# Altium PCB ECU rev B pcb.PcbDoc (part 5 of 6) (continued)
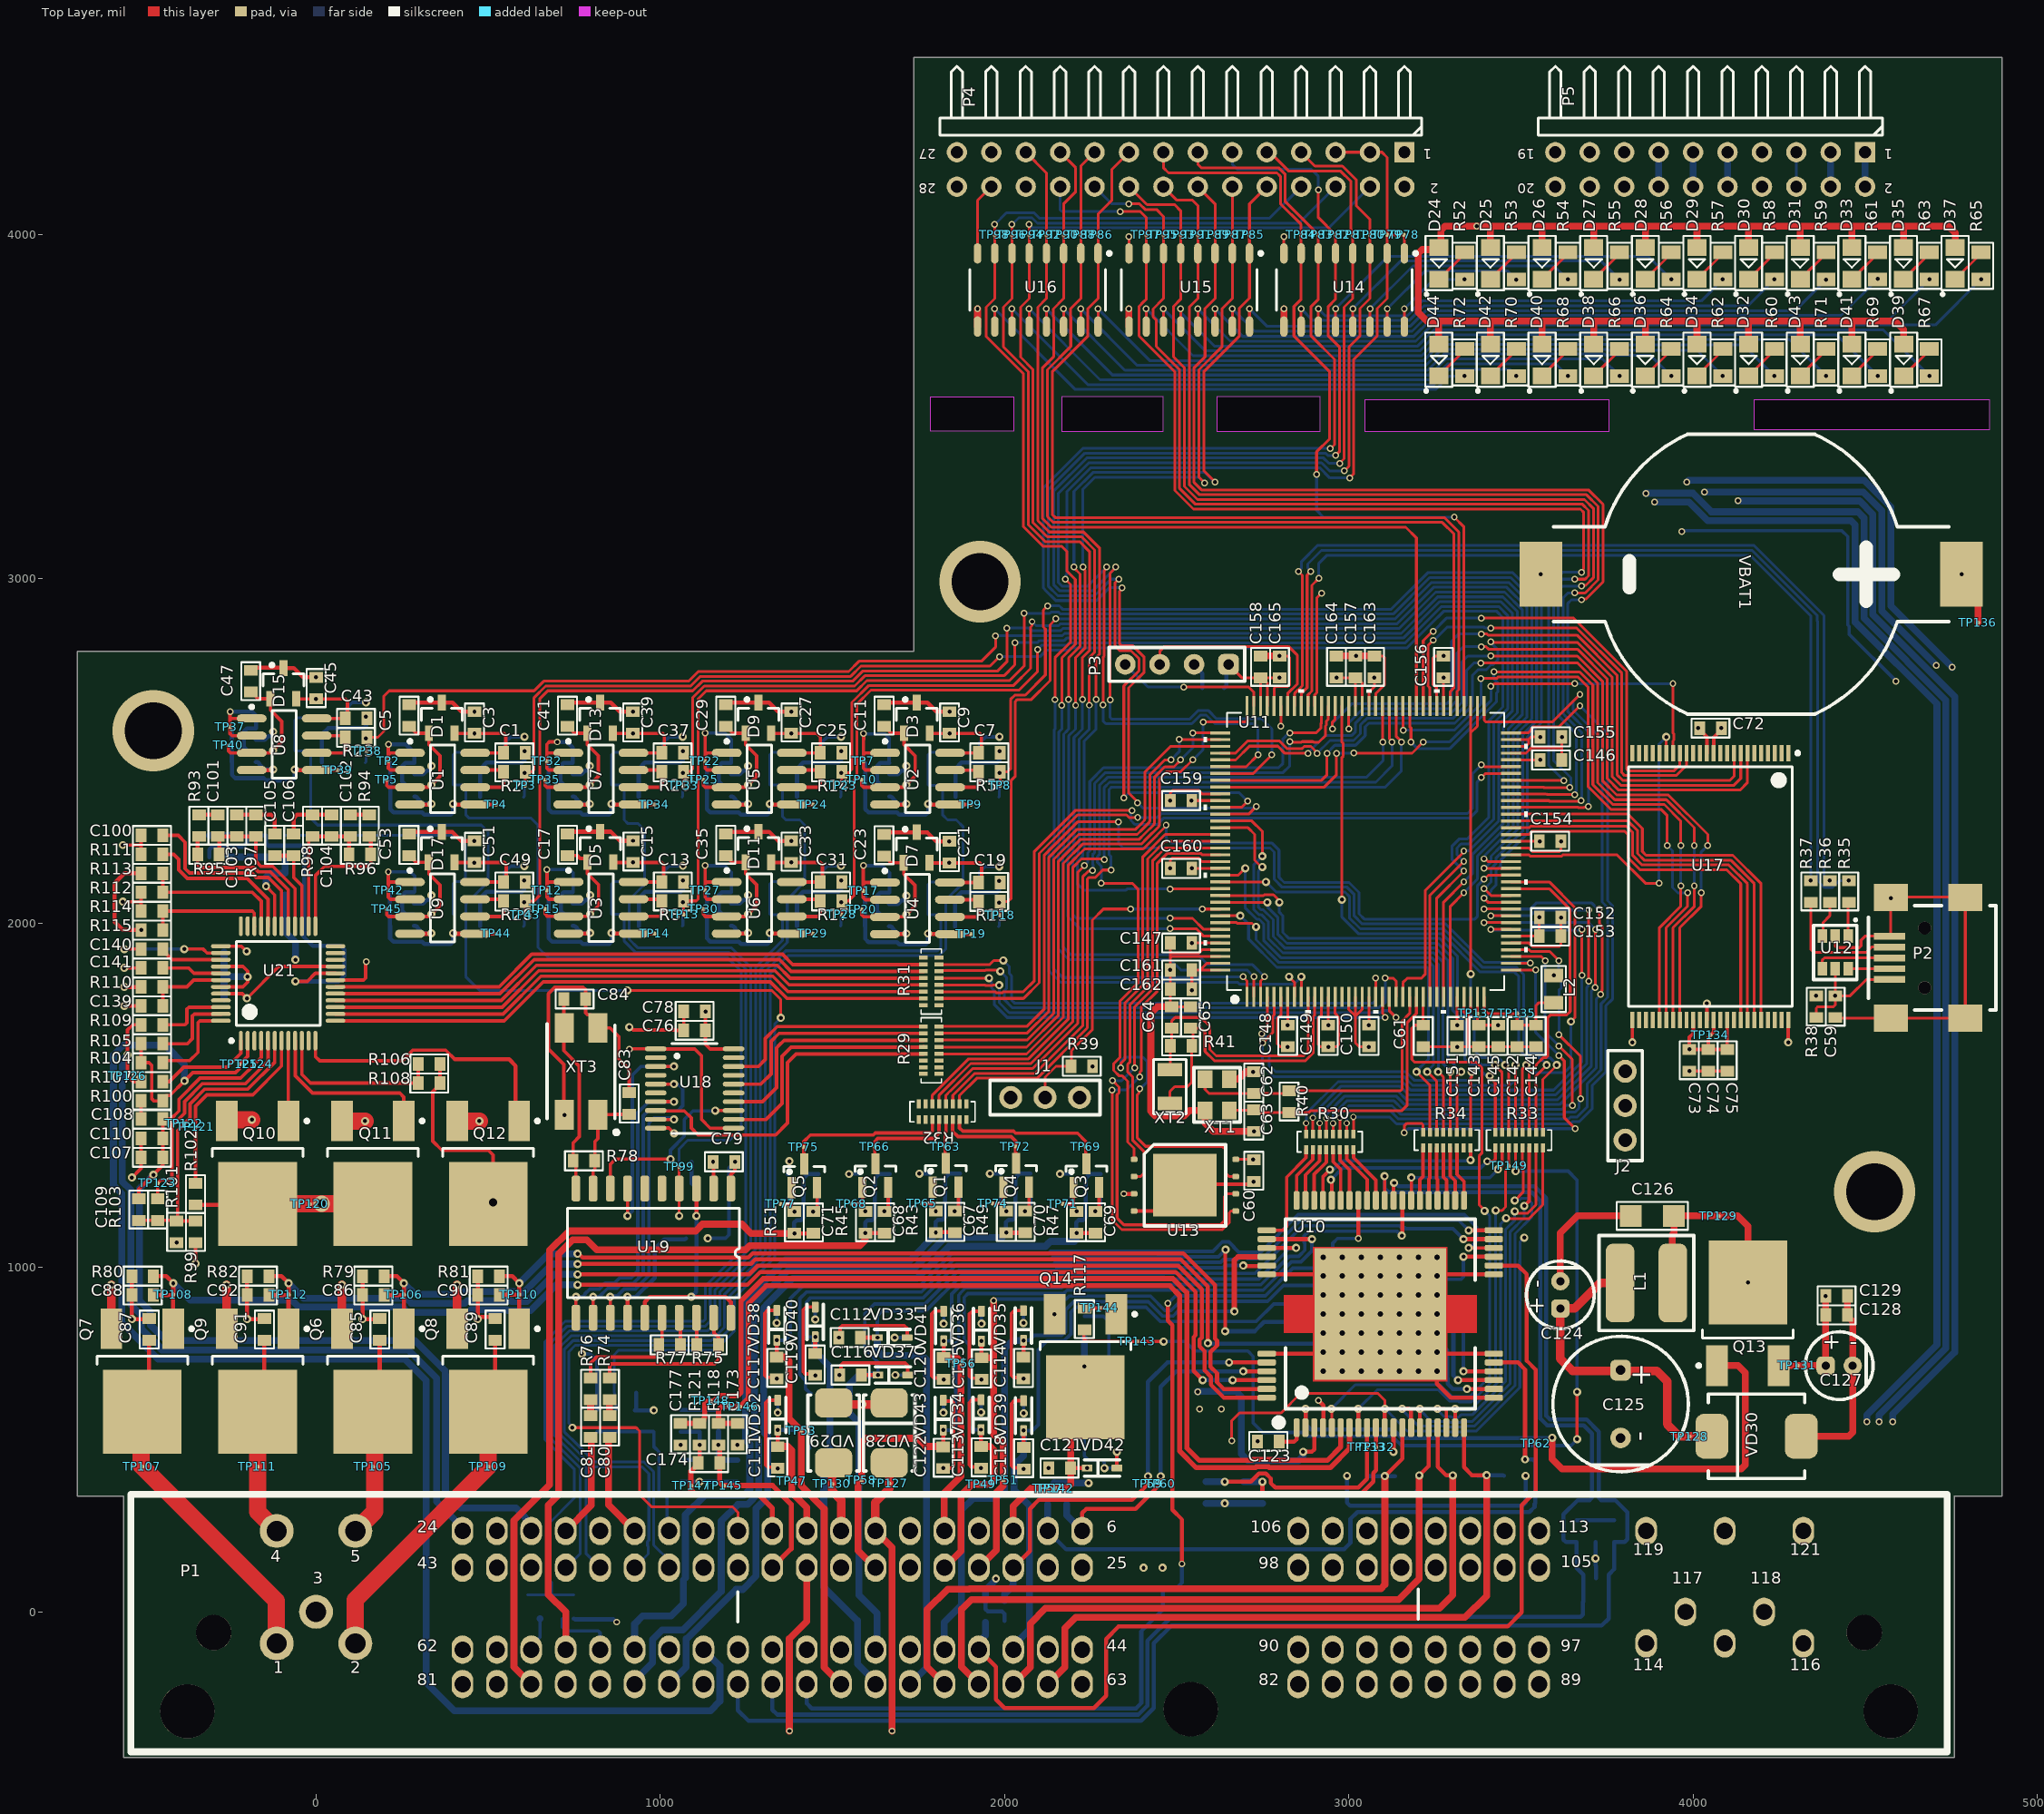
[diagram p0: Top Layer view]
## Nets (pads, with @x,y where several pads share a name; then routed paths per layer and width w, separated by ;. In a path a pad name is that pad's centre, name@x,y a point inside that pad or via, vN(x,y) a via of type N, cw(c..) or ccw(c..) an arc to the next point about the centre after c; other vN are vias at no path point) (continued)
  Bottom Layer w8: v4(2954.84,1418.62) 2954.84,1444.36 2994.49,1484 3131.94,1484 3156.57,1459.37 3619.72,1459.37 3631.03,1470.68 v2@3649.98,1470.68 ; v2(3570.87,1891.56) 3570.87,1683.4 v2(3610.49,1643.78)
PA3: R30.3 U11.40 | length 1393.7
  Top Layer w8: R30.3@2974.53,1387.64 v4(2974.53,1434.8) ; U11.40@3471.17,1923.06 3523.85,1923.06 3529,1917.9 3583.9,1917.9 v2(3610.24,1891.56) ; v2@3610.74,1676.34 3673.23,1613.85 v2(3673.23,1489.99)
  Bottom Layer w8: v4(2974.53,1434.8) 2976.39,1436.66 2976.39,1446.1 3000.29,1470 3126.14,1470 3150.77,1445.37 3625.52,1445.37 3631.36,1451.21 3657.83,1451.21 3669.45,1462.84 3669.45,1479.46 3670.99,1481 3670.99,1487.75 v2(3673.23,1489.99) ; v2(3610.24,1891.56) 3610.24,1864.54 3618.11,1856.67 3618.11,1812.82 3610.74,1805.45 v2@3610.74,1676.84
  other v2: 3610.49,1676.59
PA4: R30.8 U11.43 | length 1650.8
  Top Layer w8: R30.8@2876.1,1387.64 v4(2876.1,1419.13) ; v2(3413.39,1982.11) U11.43@3471.17,1982.11 U11.43@3471.17,1982.11 ; v2(3677.17,1848.25) v2(3677.17,1982.11)
  Bottom Layer w8: v4(2876.1,1419.13) 2876.93,1419.96 2876.93,1447.52 2969.41,1540 3155.13,1540 3179.76,1515.37 3595.45,1515.37 3677.17,1597.08 v2(3677.17,1848.25) ; v2(3413.39,1982.11) 3414.99,1980.51 3675.56,1980.51 v2(3677.17,1982.11)
PA5: R30.6 U11.44 | length 1752.2
  Top Layer w8: R30.6@2915.47,1387.64 v4(2915.47,1419.13) ; v2(3393.7,2001.8) 3393.86,2001.95 3471.02,2001.95 U11.44@3471.17,2001.8 ; v2@3713.97,1811.98 v2(3715.42,1813.43) 3716.85,1814.86 v2(3716.85,1982.11) v2@3716.54,1982.11
  Bottom Layer w8: v4(2915.47,1419.13) 2915.47,1444.58 2982.89,1512 3143.53,1512 3168.16,1487.37 3607.05,1487.37 3705.17,1585.48 3705.17,1803.18 v2(3715.42,1813.43) 3713.26,1815.59 v2@3713.26,1820.03 ; v2@3393.54,2001.64 3393.86,2001.95 3535.55,2001.95 3543,1994.51 3625.88,1994.51 3633.33,2001.95 3697.01,2001.95 3704.63,1994.33 v2(3716.85,1982.11)
PA6: R30.7 U11.45 | length 1733.7
  Top Layer w8: R30.7@2895.79,1387.64 v4(2895.79,1434.88) ; v2@3413.39,2021.48 v2(3413.39,2021.8) 3413.54,2021.64 3471.02,2021.64 U11.45@3471.17,2021.48 ; v2(3697.01,1831.85) 3697.01,2037.39 v2(3698.17,2038.55)
  Bottom Layer w8: v4(2895.79,1434.88) 2895.79,1437.51 2901.47,1443.2 2901.47,1450.38 2977.09,1526 3149.33,1526 3173.96,1501.37 3601.25,1501.37 3691.17,1591.28 3691.17,1813.06 3696.11,1818 3696.11,1830.95 v2(3697.01,1831.85) ; v2(3413.39,2021.8) 3527.87,2021.8 3544.63,2038.55 v2(3698.17,2038.55)
PA7: R30.5 U11.46 | length 1816.5
  Top Layer w8: R30.5@2934.93,1387.86 2934.93,1433.41 v4(2935.16,1433.64) ; v2(3393.7,2041.17) 3394.17,2041.64 3470.7,2041.64 U11.46@3471.17,2041.17 ; v2(3728.35,2041.17) 3728.35,1998.68 3736.69,1990.33 3736.69,1806.64 3734.52,1804.47 3734.52,1795.37 v2(3732.28,1793.14)
  Bottom Layer w8: v4(2935.16,1433.64) 2937.02,1435.49 2937.02,1446.33 2988.69,1498 3137.73,1498 3162.36,1473.37 3612.85,1473.37 3719.17,1579.69 3719.17,1780.02 v2(3732.28,1793.14) ; v2(3393.7,2041.17) 3394.17,2041.64 3421.6,2041.64 3422.08,2041.17 3527.45,2041.17 3544.67,2058.39 3706.39,2058.39 3721.38,2043.4 3726.11,2043.4 v2(3728.35,2041.17)
PA8: R32.4 U11.97 | length 2053.1
  Top Layer w8: R32.4@1830,1475.28 1830,1500.4 1841.6,1512 1841.91,1512 1907.91,1578 2081.59,1578 2213,1709.41 2213,2148.1 v2(2232,2167.1) ; v2(2828.99,2552.98) 2905.54,2552.98 2918.91,2566.35 2918.91,2578.81 2921.22,2581.11 U11.97@2921.22,2630.49
  Bottom Layer w8: v2(2232,2167.1) 2242.16,2177.26 2242.16,2204.82 2248,2210.66 2248,2411.67 2287.83,2451.5 2796.16,2451.5 2809.15,2464.49 2809.15,2535.51 2826.62,2552.98 v2(2828.99,2552.98)
PA15: R29.4 U11.108 | length 1727.3
  Top Layer w8: R29.4@1810,1621.26 1810,1620 2064.2,1620 2171,1726.8 2171,2173.76 2227.24,2230 2397.46,2230 2412.62,2245.16 2448.84,2281.38 2448.84,2283.64 2450.16,2284.96 2450.16,2419.16 2471.39,2440.39 2512.39,2440.39 2546.24,2474.24 v2(2547.24,2474.24) ; v2(2577.56,2584.47) 2700.04,2584.47 2704.72,2589.16 U11.108@2704.72,2630.45
  Bottom Layer w8: v2(2547.24,2474.24) 2577,2503.99 2577,2583.91 v2(2577.56,2584.47)
PB0: R33.3 U11.49 | length 926
  Top Layer w8: U11.49@3471.17,2100.22 3582.67,2100.22 3643.32,2039.57 3643.32,1834.24 3643.48,1834.08 3643.48,1743.7 3633.86,1734.08 3586.61,1734.08 3578.74,1726.21 3578.74,1614.91 3574.05,1610.22 3565.96,1610.22 3545.37,1589.63 3545.37,1587.19 3524.53,1566.34 R33.3@3524.53,1392.64
PB1: R33.4 U11.50 | length 1029.7
  Top Layer w8: U11.50@3471.17,2119.91 3582.79,2119.91 3657.32,2045.37 3657.32,1840.03 3657.48,1839.88 3657.48,1726.21 v1(3645.67,1714.39) ; R33.4@3504.84,1392.64 3504.84,1576.96 3515.75,1587.86 v1(3515.75,1588.41)
  Bottom Layer w8: v1(3515.75,1588.41) 3515.75,1587.19 3536.34,1566.6 3626.88,1566.6 3645.67,1585.38 v1(3645.67,1714.39)
PB2: R32.6 U11.51 | length 2617
  Top Layer w8: R32.6@1790.63,1475.28 1790.63,1500.63 1895,1605 1895.31,1605 1896.31,1606 2069.99,1606 2185,1721.01 2185,2167.96 2233.04,2216 2403.26,2216 2418.41,2231.16 2470,2282.74 v2(2470,2285) ; v2(3393.7,2127.78) 3405.51,2139.59 U11.51@3471.17,2139.59
  Bottom Layer w8: v2(2470,2285) 2470,2247 2484.67,2232.33 2777.45,2232.33 2797.46,2212.32 2797.46,2133.58 2812.51,2118.54 3000.95,2118.54 3030.13,2089.36 3030.13,2027.13 3045.38,2011.88 3366.46,2011.88 3373.61,2019.03 3373.61,2108.19 3393.2,2127.78 v2(3393.7,2127.78)
PB3: R34.5 U11.130 | length 1347.5
  Top Layer w8: U11.130@2627.17,2139.59 2679.24,2139.59 2698.94,2159.29 v1(2699.9,2159.29) ; v1(3259.84,1568.73) 3275.16,1553.41 R34.5@3275.16,1392.64
  Bottom Layer w8: v1(2699.9,2159.29) 2699.01,2158.4 2699.01,2045.51 2733.25,2011.27 2740.01,2011.27 2752.78,1998.5 2752.78,1950.03 2802.94,1899.88 3168.39,1899.88 3241.21,1899.88 3260.18,1880.9 3260.18,1808.09 3260.18,1569.06 v1(3259.84,1568.73)
PB4: R33.1 U11.131 | length 1579.5
  Top Layer w8: U11.131@2627.17,2119.91 v1(2759.84,2119.91) ; R33.1@3563.9,1392.64 3563.9,1546.47 3604.61,1587.19 v1(3604.61,1588.41) v1@3598.43,1588.41
  Bottom Layer w8: v1(2759.84,2119.91) 2789.21,2090.54 2989.35,2090.54 3002.13,2077.76 3002.13,2015.53 3033.78,1983.88 3276,1983.88 3387.63,1872.25 3487.27,1872.25 3508.25,1851.28 3508.25,1639.33 3523.36,1624.22 3560.2,1624.22 3574.2,1610.22 3584.03,1610.22 3605.84,1588.41 v1(3604.61,1588.41)
PB5: P4.23 TP92.0 U11.132 U16.4 | length 2743.6
  Top Layer w8: P4.23@2061.83,4239.27 2121.83,4179.27 TP92.0@2121.83,3999.24 U16.4@2121.83,3945.57 2121.83,3814.27 2096.83,3789.27 2096.83,3169.47 2130.03,3136.27 2229.83,3136.27 2275.83,3090.27 2275.83,2781.15 2266.15,2771.47 v2(2266.15,2649.81) ; v2(2481.83,2099.27) 2482.78,2100.22 U11.132@2627.17,2100.22
  Bottom Layer w8: v2(2266.15,2649.81) 2266.15,2563.59 2231.83,2529.27 2231.83,2214.29 2228.16,2210.62 2228.16,2195.6 2212.16,2179.6 2212.16,2113.94 2229.94,2096.16 2353.25,2096.16 2356.36,2099.27 v2(2481.83,2099.27)
PB6: R33.7 U11.133 | length 1402.7
  Top Layer w8: U11.133@2627.17,2080.54 2752.62,2080.54 2754.75,2082.66 2781.34,2082.66 2792.03,2071.97 2792.03,2071.63 2798.24,2065.42 v1@2798.58,2065.42 ; v1@3425.2,1588.41 v1(3425.01,1588.41) 3425.01,1587.19 3445.79,1566.41 R33.7@3445.79,1392.64
  Bottom Layer w8: v1(2798.58,2060.85) 2798.58,2031.9 2808.78,2021.69 2808.78,1973.23 2826.13,1955.88 3191.59,1955.88 3264.41,1955.88 3316.18,1904.1 3316.18,1831.28 3316.18,1753.2 3350.73,1718.65 3350.73,1611.81 3358,1604.54 3371.23,1604.54 3387.35,1588.41 v1(3425.01,1588.41)
PB7: R33.8 U11.134 | length 1350.1
  Top Layer w8: U11.134@2627.17,2060.85 v1(2763.78,2060.85) ; v1(3410.12,1556.91) 3410.12,1552.3 3426.1,1536.32 R33.8@3426.1,1392.64
  Bottom Layer w8: v1(2763.78,2060.85) 2765.63,2059 2765.63,2045.04 2794.78,2015.89 2794.78,1967.43 2820.33,1941.88 3185.79,1941.88 3258.61,1941.88 3302.18,1898.3 3302.18,1825.49 3302.18,1747.4 3336.73,1712.85 3336.73,1606.01 3352.21,1590.54 3365.43,1590.54 3396.06,1559.9 3407.13,1559.9 v1(3410.12,1556.91)
PB8: R34.7 U11.136 | length 1199.3
  Top Layer w8: U11.136@2627.17,2021.48 v1(2685.04,2021.48) ; v1(3196.85,1568.73) 3236.22,1529.36 R34.7@3236.22,1393.07
  Bottom Layer w8: v1(2685.04,2021.48) 2709.16,1997.36 2709.16,1954.05 2791.34,1871.88 3227.49,1871.88 3232.18,1867.19 3232.18,1605.92 3196.85,1570.59 v1(3196.85,1568.73)
PB9: R34.6 U11.137 | length 1194.5
  Top Layer w8: U11.137@2627.17,2001.8 2673.88,2001.8 2676,1999.67 2718.82,1999.67 2729.03,1989.46 v1(2730.97,1989.46) ; v1(3228.35,1568.73) 3255.47,1541.6 R34.6@3255.47,1392.64
  Bottom Layer w8: v1(2730.97,1989.46) 2730.97,1952.04 2797.14,1885.88 3162.6,1885.88 3235.41,1885.88 3246.18,1875.11 3246.18,1802.29 3246.18,1588.75 3228.35,1570.92 v1(3228.35,1568.73)
PB10: R31.3 U11.66 | length 2249.5
  Top Layer w8: R31.3@1810,1801.26 1810.25,1801.01 1973.09,1801.01 1975.89,1798.21 1993.96,1798.21 1996.75,1801.01 2055,1801.01 2087,1833 2087,2208.56 2206.86,2328.42 2368.61,2328.42 v2(2370.02,2327) ; v2(3385.83,2423.06) 3397.64,2434.87 U11.66@3471.17,2434.87
  Bottom Layer w8: v2(2370.02,2327) 2367.16,2324.14 2367.16,2298.78 2378.78,2287.16 2444.1,2287.16 2461.78,2304.84 3350.64,2304.84 3373,2327.2 3373,2410 3385.83,2422.83 v2(3385.83,2423.06)
PB11: R31.2 U11.67 | length 2229.4
  Top Layer w8: R31.2@1810,1781.57 2055.37,1781.57 2101,1827.21 2101,2202.76 2212.66,2314.42 2354.54,2314.42 2361.8,2307.16 2386.84,2307.16 v2(2387,2307) ; v2(3385.83,2460.11) 3388.99,2460.11 3394.55,2454.55 U11.67@3471.17,2454.55
  Bottom Layer w8: v2(2387,2307) 2444.14,2307 2455.98,2318.84 3344.84,2318.84 3359,2333 3359,2433.28 v2(3385.83,2460.11)
PB12: R30.1 U11.72 | length 2238.3
  Top Layer w8: R30.1@3013.9,1387.64 v4(3013.9,1437.14) ; U11.72@3471.17,2552.98 3522.24,2552.98 3529.33,2560.07 3529.33,2563.76 3536.42,2570.85 3611.24,2570.85 v2(3671.83,2631.44)
  Bottom Layer w8: v4(3013.9,1437.14) 3119.4,1437.14 3139.17,1417.37 3644.18,1417.37 3650.02,1423.21 3669.42,1423.21 3707.07,1460.86 3707.07,1527.76 3747.17,1567.86 3747.17,1760.16 3766.13,1779.12 3766.13,2051.25 3751.97,2065.41 3751.97,2551.29 v2(3671.83,2631.44)
PB13: R30.2 U11.73 | length 2410.8
  Top Layer w8: R30.2@2994.21,1387.64 v4(2994.21,1419.13) ; U11.73@3393.66,2630.49 3393.66,2589.54 3398.35,2584.85 3592.41,2584.85 v2(3671.83,2664.27)
  Bottom Layer w8: v4(2994.21,1419.13) 2994.21,1444.13 3006.09,1456 3120.34,1456 3144.97,1431.37 3638.38,1431.37 3644.22,1437.21 3663.62,1437.21 3693.07,1466.66 3693.07,1533.56 3724.41,1564.9 3724.41,1565.13 3733.17,1573.89 3733.17,1765.96 3752.13,1784.92 3752.13,2045.45 3736.22,2061.35 3736.22,2534.87 3651.98,2619.11 3651.98,2644.43 v2(3671.83,2664.27)
PB14: R33.6 U11.74 U11.75 | length 1400.1
  Top Layer w8: v1(3354.33,1852.18) 3354.33,2552.98 ; U11.75@3354.33,2630.45 3354.33,2552.98 ; U11.74@3373.98,2630.49 3373.98,2572.62 3354.33,2552.98 ; v1@3456.69,1588.41 v1(3454.63,1588.41) 3454.63,1587.19 3465.47,1576.34 R33.6@3465.47,1392.64
  Bottom Layer w8: v1(3354.33,1852.18) 3354.33,1734.85 3364.73,1724.44 3364.73,1630.83 3385.34,1610.22 3434.04,1610.22 3454.63,1589.63 v1(3454.63,1588.41)
PC7: R33.2 U11.94 | length 1726.4
  Top Layer w8: v1(2980.31,2068.73) 2980.31,2481.29 2984.41,2485.39 2984.41,2521.83 2980.16,2526.08 2980.16,2630.37 U11.94@2980.28,2630.49 ; R33.2@3544.21,1392.64 3544.21,1556.41 3574.99,1587.19 v1(3574.99,1588.41) v1@3570.87,1588.41
  Bottom Layer w8: v1(2980.31,2068.73) 2980.31,2017.54 3027.98,1969.88 3270.2,1969.88 3381.83,1858.25 3481.48,1858.25 3494.25,1845.48 3494.25,1633.53 3517.56,1610.22 3554.4,1610.22 3574.99,1589.63 v1(3574.99,1588.41)
PC9: R32.3 U11.96 | length 2073
  Top Layer w8: R32.3@1849.69,1475.28 1850,1475.59 1850,1500.29 1913.71,1564 2089,1564 2227,1702 2227,2134.4 2243.36,2150.76 2253.76,2150.76 v2(2256,2153) ; v2(2828.99,2527.29) 2830.85,2525.43 2862.97,2525.43 2864.99,2527.45 2896.02,2527.45 2898.04,2525.43 2912.99,2525.43 2932.91,2545.35 2932.91,2573.01 2935.22,2575.31 2935.22,2586.74 2940.91,2592.42 U11.96@2940.91,2630.49
  Bottom Layer w8: v2(2256,2153) 2257.62,2154.62 2257.62,2169.51 2256.16,2170.98 2256.16,2199.02 2262,2204.86 2262,2405.87 2293.63,2437.5 2809.72,2437.5 2828.99,2456.77 v2(2828.99,2527.29)
PC10: R29.5 U11.109 | length 1563.7
  Top Layer w8: R29.5@1810,1640.94 1810,1640 2064.4,1640 2157,1732.6 2157,2179.56 2221.44,2244 2391.66,2244 2406.82,2259.16 2434.84,2287.18 2434.84,2289.44 2436.16,2290.76 2436.16,2424.96 2465.6,2454.39 2492.47,2454.39 2511.81,2473.74 v2(2511.81,2474.24) ; v2(2547.24,2552.98) U11.109@2627.17,2552.98
  Bottom Layer w8: v2(2511.81,2474.24) 2547.24,2509.67 v2(2547.24,2552.98)
PC11: R29.6 U11.110 | length 1541.7
  Top Layer w8: R29.6@1810,1660.63 2065.23,1660.63 2143,1738.4 2143,2185.36 2215.64,2258 2385.86,2258 2401.02,2273.16 2420.84,2292.98 2420.84,2295.24 2422.16,2296.55 2422.16,2430.76 2465.4,2474 2484.01,2474 v2(2484.25,2474.24) ; v2@2507.87,2533.29 v2(2507.87,2533.45) 2508.19,2533.14 2557.64,2533.14 2557.8,2533.29 U11.110@2627.17,2533.29
  Bottom Layer w8: v2(2484.25,2474.24) 2484.25,2474.74 2507.87,2498.36 v2(2507.87,2533.45)
PC12: R29.7 U11.111 | length 1505.7
  Top Layer w8: R29.7@1810,1680.32 2065.11,1680.32 2129,1744.2 2129,2191.16 2209.84,2272 2380.06,2272 2395.22,2287.16 2406.84,2298.78 2406.84,2301.04 2408.16,2302.35 2408.16,2439.3 2482.47,2513.61 U11.111@2627.17,2513.61
PC13: P4.3 P4.5 TP78.0 TP79.0 U11.9 U14.1 U14.2 | length 4341
  Top Layer w8: v2(2146.72,2649.35) 2146.84,2649.47 2146.84,2770.96 2191.83,2815.94 2191.83,2984.27 v2(2176.83,2999.27) ; U11.9@2862.17,1786.49 v1(2862.2,1844.32) v1(2862.2,1844.32) ; P4.5@2961.83,4239.27 P4.3@3061.83,4239.27 3096.83,4239.27 3111.83,4224.27 TP79.0@3111.83,3999.24 ; v2(3002.55,3293.31) 3014.83,3305.59 3014.83,3637.81 3082.65,3705.64 3082.65,3785.09 3111.83,3814.27 U14.2@3111.83,3945.57 TP79.0@3111.83,3999.24 ; U14.1@3161.83,3945.57 3161.48,3945.91 3161.48,3998.9 TP78.0@3161.14,3999.24 TP79.0@3111.83,3999.24
  Bottom Layer w8: v2(2146.72,2649.35) 2146.72,2563.56 2144.16,2560.99 2144.16,2230.39 2128.16,2214.39 2128.16,1863.14 2136.83,1854.47 2136.83,1854.27 2162.9,1828.19 2677.9,1828.19 2683.59,1822.51 2840.39,1822.51 v1(2862.2,1844.32) ; v2(2176.83,2999.27) 2179.06,3001.5 2179.06,3011.5 2181.83,3014.27 2181.83,3254.07 2251.03,3323.27 2915.37,3323.27 2945.32,3293.31 v2(3002.55,3293.31)
PD2: P4.7 TP80.0 U11.114 U14.3 | length 3523.9
  Top Layer w8: v2(2286.28,2633.86) 2286.28,2771.8 2289.83,2775.35 2289.83,3024.11 2296.83,3031.11 v2(2296.83,3034.27) ; U11.114@2627.17,2454.55 2702.11,2454.55 v2(2736.83,2489.27) ; P4.7@2861.83,4239.27 2901.83,4199.27 2981.83,4199.27 3021.83,4159.27 3021.83,4084.27 3061.83,4044.27 TP80.0@3061.83,3999.24 U14.3@3061.83,3945.57 3061.83,3814.27 3032.65,3785.09 3032.65,3705.64 3000.83,3673.81 3000.83,3327.56 v2(2987.1,3313.83)
  Bottom Layer w8: v2(2286.28,2633.86) 2286.28,2587.25 2294.26,2579.27 2544.29,2579.27 2569.34,2604.32 2585.78,2604.32 2610.83,2579.27 2726.83,2579.27 2736.83,2569.27 v2(2736.83,2489.27) ; v2(2296.83,3034.27) 2241.83,2979.27 2166.83,2979.27 2156.83,2989.27 2156.83,3248.87 2245.23,3337.27 2921.17,3337.27 2930.5,3327.94 2944.6,3313.83 v2(2987.1,3313.83) 2986.83,3314.1 v2@2986.83,3314.27
PD3: P4.9 TP81.0 U11.115 U14.4 | length 3677
  Top Layer w8: v2(2306.83,2649.27) 2306.83,3016.21 2322.51,3031.89 v2(2322.51,3034.27) ; U11.115@2627.23,2434.81 2722.37,2434.81 v2(2776.83,2489.27) ; P4.9@2761.83,4239.27 2771.42,4239.27 2826.42,4184.27 2976.83,4184.27 3006.83,4154.27 3006.83,4014.27 3011.83,4009.27 TP81.0@3011.83,3999.24 U14.4@3011.83,3945.57 3011.83,3814.27 2986.83,3789.27 2986.83,3348.91 v2(2973.59,3335.68)
  Bottom Layer w8: v2(2306.83,2649.27) 2306.83,2597.95 2311.51,2593.27 2538.49,2593.27 2563.54,2618.32 2591.58,2618.32 2615.63,2594.27 2746.83,2594.27 2776.83,2564.27 v2(2776.83,2489.27) ; v2(2322.51,3034.27) 2322.51,3031.89 2255.89,2965.27 2161.03,2965.27 2142.83,2983.47 2142.83,3254.66 2239.43,3351.27 2926.97,3351.27 2942.55,3335.68 v2(2973.59,3335.68)
PD6: P4.11 TP82.0 U11.120 U14.5 | length 3725.4
  Top Layer w8: v2(2331.83,2999.27) 2320.83,2988.27 2320.83,2805.27 2334.28,2791.82 2367.47,2791.82 2390.9,2768.39 2390.9,2733.35 2346.83,2689.27 v2(2346.83,2364.27) ; U11.120@2627.17,2336.44 2689,2336.44 v2(2706.83,2354.27) ; v2(2911.83,4129.42) 2911.83,4049.24 TP82.0@2961.83,3999.24 U14.5@2961.83,3945.57 2961.83,3812.33 2941,3791.5 2941,3705.64 2972.83,3673.81 2972.83,3369.31 v2(2962.24,3358.72)
  Bottom Layer w8: v2(2331.83,2999.27) 2309.69,2999.27 2261.69,2951.27 2155.23,2951.27 2126.83,2979.67 2126.83,3258.46 2233.63,3365.27 2932.77,3365.27 2939.31,3358.72 v2(2962.24,3358.72) 2961.83,3359.13 v2@2961.83,3359.27 ; v2(2346.83,2364.27) 2361.83,2379.27 2681.83,2379.27 v2(2706.83,2354.27) ; P4.11@2661.83,4239.27 2661.83,4204.27 2676.83,4189.27 2891.83,4189.27 2911.83,4169.27 v2(2911.83,4129.42)
PD7: P4.13 TP83.0 U11.121 U14.6 | length 3789
  Top Layer w8: v2(2341.83,2974.27) 2336.83,2974.27 2339.59,2971.5 2339.59,2968.87 2334.83,2964.11 2334.83,2811.07 2340.07,2805.82 2373.27,2805.82 2404.9,2774.19 2404.9,2727.55 2360.83,2683.47 2360.83,2378.33 2386.83,2352.33 v2(2386.83,2349.27) ; P4.13@2561.83,4239.27 2561.83,4204.27 2572.83,4193.27 2797.63,4193.27 2815.83,4175.07 2815.83,4095.24 TP83.0@2911.83,3999.24 U14.6@2911.83,3945.57 2911.83,3812.33 2891,3791.5 2891,3705.64 2958.83,3637.81 2958.83,3389.8 2948.3,3379.27 v2(2946.83,3379.27) ; U11.121@2627.17,2316.76 2709.32,2316.76 v2(2731.83,2339.27)
  Bottom Layer w8: v2(2341.83,2974.27) 2304.49,2974.27 2267.49,2937.27 2148.83,2937.27 2116.83,2969.27 2116.83,2969.87 2112.83,2973.87 2112.83,3264.26 2227.83,3379.27 v2(2946.83,3379.27) ; v2(2386.83,2349.27) 2401.83,2334.27 2723.67,2334.27 2728.67,2339.27 v2(2731.83,2339.27)
PD8: P4.15 TP84.0 U11.76 U14.7 | length 2426.2
  Top Layer w8: P4.15@2461.83,4239.27 2461.83,4194.27 2476.83,4179.27 2791.83,4179.27 2801.83,4169.27 2801.83,4089.44 2861.83,4029.44 TP84.0@2861.83,3999.24 U14.7@2861.83,3945.57 2861.83,3812.33 2841,3791.5 2841,3705.64 2944.83,3601.81 2944.83,3407.27 2906.83,3369.27 v2(2906.83,3303.43) ; v2(3306.83,3179.27) 3334,3152.09 3334,3080.41 3334.61,3079.8 U11.76@3334.61,2630.49
  Bottom Layer w8: v2(2906.83,3303.43) 2906.83,3199.27 2926.83,3179.27 v2(3306.83,3179.27)
PD9: P4.17 TP86.0 U11.77 U16.1 | length 2855.3
  Top Layer w8: P4.17@2361.83,4239.27 2311.83,4189.27 2311.83,4099.27 2271.83,4059.27 TP86.0@2271.83,3999.24 U16.1@2271.83,3945.57 2271.83,3814.27 2241.67,3784.11 2241.67,3761.28 2242.65,3760.3 2242.65,3705.5 2138.83,3601.67 2138.83,3187.07 2147.63,3178.27 3277.63,3178.27 3320,3135.89 3320,2678.2 3314.92,2673.12 U11.77@3314.92,2630.49
PD10: P4.19 TP88.0 U11.78 U16.2 | length 2822
  Top Layer w8: P4.19@2261.83,4239.27 2221.83,4199.27 2221.83,3814.27 2191.67,3784.11 2191.67,3761.28 2192.65,3760.3 2192.65,3675.3 2124.83,3607.47 2124.83,3181.27 2141.83,3164.27 3271.83,3164.27 3306,3130.09 3306,2684 3295.24,2673.24 U11.78@3295.24,2630.49
PD13: P4.21 TP90.0 U11.83 U16.3 | length 2721.2
  Top Layer w8: P4.21@2161.83,4239.27 2206.83,4194.27 2206.83,4124.27 2171.83,4089.27 TP90.0@2171.83,3999.24 U16.3@2171.83,3945.57 2171.83,3814.27 2141.67,3784.11 2141.67,3761.28 2142.65,3760.3 2142.65,3645.09 2110.83,3613.27 2110.83,3175.27 2131.83,3154.27 2132.03,3154.27 2136.03,3150.27 3165.83,3150.27 3196.81,3119.28 U11.83@3196.81,2630.49
PE0: P4.4 TP94.0 U11.138 U16.5 | length 3679.1
  Top Layer w8: v2(2071.83,4029.27) TP94.0@2071.83,3999.24 U16.5@2071.83,3945.57 2071.83,3814.27 2046.83,3789.27 2046.83,3644.27 2082.83,3608.27 2082.83,3163.67 2124.23,3122.27 2224.03,3122.27 2261.83,3084.47 2261.83,2786.95 2246.3,2771.43 v2(2246.3,2633.5) ; v2(2481.83,2014.27) 2546.63,2014.27 2578.78,1982.11 U11.138@2627.17,1982.11
  Bottom Layer w8: v2(2071.83,4029.27) 2081.83,4019.27 2941.83,4019.27 P4.4@3061.83,4139.27 ; v2(2246.3,2633.5) 2246.3,2563.74 2216.83,2534.27 2216.83,2219.08 2214.16,2216.41 2214.16,2201.4 2198.16,2185.4 2198.16,2025.09 2208.98,2014.27 v2(2481.83,2014.27)
PE1: P4.6 TP96.0 U11.139 U16.6 | length 3674.4
  Top Layer w8: v2(2021.83,4029.27) TP96.0@2021.83,3999.24 U16.6@2021.83,3945.57 2021.83,3814.27 1996.83,3789.27 1996.83,3674.27 2068.83,3602.27 2068.83,3157.87 2118.43,3108.27 2218.23,3108.27 2247.83,3078.67 2247.83,2792.75 2226.34,2771.26 v2(2226.34,2649.66) ; v2(2481.83,1984.27) 2556.83,1984.27 2578.67,1962.43 U11.139@2627.17,1962.43
  Bottom Layer w8: v2(2021.83,4029.27) 2041.67,4049.11 2080.05,4049.11 2095.89,4033.27 2855.83,4033.27 P4.6@2961.83,4139.27 ; v2(2226.34,2649.66) 2226.34,2563.78 2216.83,2554.27 2216.83,2554.07 2201.83,2539.07 2201.83,2223.88 2200.16,2222.21 2200.16,2207.2 2184.16,2191.2 2184.16,2019.29 2219.18,1984.27 v2(2481.83,1984.27)
PE2: P4.8 TP98.0 U11.1 U16.7 | length 3910.2
  Top Layer w8: v2(1971.83,4029.27) TP98.0@1971.83,3999.24 U16.7@1971.83,3945.57 1971.83,3814.27 1946.83,3789.27 1946.83,3704.27 2054.83,3596.27 2054.83,3152.07 2112.63,3094.27 2166.83,3094.27 2181.98,3079.11 2181.98,3022.17 2205.83,2998.33 2205.83,2810.15 2166.69,2771.01 v2(2166.69,2633.2) ; v2(2692.91,1844.32) 2704.72,1832.51 U11.1@2704.68,1786.49 U11.1@2704.68,1786.49
  Bottom Layer w8: v2(1971.83,4029.27) 2005.67,4063.11 2085.84,4063.11 2101.69,4047.27 2769.83,4047.27 P4.8@2861.83,4139.27 ; v2(2166.69,2633.2) 2166.69,2564.25 2161.83,2559.38 2161.83,2558.87 2158.16,2555.2 2158.16,2224.59 2142.16,2208.59 2142.16,1868.94 2168.9,1842.19 2566.11,1842.19 2568.19,1844.27 v2(2692.91,1844.32) v2(2692.91,1844.32)
PE3: P4.10 TP85.0 U11.2 U15.1 | length 3414.7
  Top Layer w8: v2(2186.53,2649.51) 2186.59,2649.51 v2(2186.53,2649.51) 2186.53,2771.05 2219.83,2804.35 2219.83,3014.36 2201.83,3032.36 v2(2201.83,3034.27) ; v2(2611.83,3281.74) 2578.83,3314.74 2578.83,3601.81 2682.65,3705.64 2682.65,3760.3 2681.67,3761.28 2681.67,3785.53 2711.83,3815.69 U15.1@2711.83,3945.57 TP85.0@2711.83,3999.24 2711.83,4089.27 P4.10@2761.83,4139.27 ; U11.2@2724.37,1786.49 v2(2724.41,1844.32)
  Bottom Layer w8: v2(2186.53,2649.51) 2186.53,2564.29 2181.83,2559.59 2181.83,2559.07 2172.16,2549.4 2172.16,2218.79 2156.16,2202.79 2156.16,1924.94 2186.83,1894.27 2482.08,1894.27 2512.08,1864.27 2704.46,1864.27 v2(2724.41,1844.32) ; v2(2201.83,3034.27) 2201.83,3254.27 2256.83,3309.27 2581.83,3309.27 2609.35,3281.74 v2(2611.83,3281.74)
PE4: P4.12 TP87.0 U11.3 U15.2 | length 3326.7
  Top Layer w8: v2(2206.5,2633.35) 2206.5,2771.22 2233.83,2798.55 2233.83,3025.26 2227.98,3031.11 v2(2227.98,3034.27) ; v2(2581.83,3278.55) 2564.83,3295.55 2564.83,3607.61 2632.65,3675.44 2632.65,3760.3 2631.67,3761.28 2631.67,3784.11 2661.83,3814.27 U15.2@2661.83,3945.57 TP87.0@2661.83,3999.24 P4.12@2661.83,4139.27 ; U11.3@2744.05,1786.49 2744.05,1832.47 v2(2755.91,1844.32)
  Bottom Layer w8: v2(2206.5,2633.35) 2206.5,2563.94 2186.83,2544.27 2186.83,2228.68 2186.16,2228.01 2186.16,2212.99 2170.16,2196.99 2170.16,1930.94 2192.83,1908.27 2562.33,1908.27 2591.33,1879.27 2720.95,1879.27 v2(2755.91,1844.32) ; v2(2227.98,3034.27) 2227.98,3260.63 2262.63,3295.27 2565.11,3295.27 v2(2581.83,3278.55)
PE5: R34.1 U11.4 | length 1020.4
  Top Layer w8: v2(2748.03,1678.96) 2763.74,1694.67 U11.4@2763.74,1786.49 ; R34.1@3353.9,1392.64 3353.9,1548.61 3356.39,1551.1 v1(3356.39,1568.73)
  Bottom Layer w8: v2(2748.03,1678.96) 2751.19,1678.96 2757.55,1672.61 2758.11,1672.61 2769.74,1660.98 2769.74,1586.39 2787.4,1568.73 3166,1568.73 3191.36,1543.37 3349.03,1543.37 3353.72,1548.06 3353.72,1566.05 v1(3356.39,1568.73)
PE6: R33.5 U11.5 | length 1217.9
  Top Layer w8: v2(2749.89,1652.76) 2779.11,1681.98 2779.11,1729.5 2783.43,1733.82 U11.5@2783.43,1786.49 ; v1(3484.25,1588.41) 3485.16,1587.51 R33.5@3485.16,1392.64
  Bottom Layer w8: v2(2749.89,1652.76) 2749.89,1586.43 2781.6,1554.73 3160.21,1554.73 3185.56,1529.37 3468.5,1529.37 3484.25,1545.12 v1(3484.25,1588.41)
PE11: P4.14 TP89.0 U11.61 U15.3 | length 3315.2
  Top Layer w8: P4.14@2561.83,4139.27 2611.83,4089.27 TP89.0@2611.83,3999.24 U15.3@2611.83,3945.57 2611.83,3814.27 2581.67,3784.11 2581.67,3761.28 2582.65,3760.3 2582.65,3645.24 2550.83,3613.41 2550.83,3280.27 2572.39,3258.71 3696.58,3258.71 3738.83,3216.46 3738.83,2991.47 3688.86,2941.5 3679.06,2941.5 v2(3676.83,2939.27) ; U11.61@3471.17,2336.44 3666.63,2336.44 3667.27,2335.8 3683.7,2335.8 3684.35,2336.44 3686.3,2336.44 3686.89,2337.03 3694.59,2337.03 v2(3696.83,2339.27)
  Bottom Layer w8: v2(3676.83,2939.27) 3646.83,2939.27 3636.83,2929.27 3636.83,2614.47 3696.83,2554.47 v2(3696.83,2339.27)
PE12: P4.16 TP91.0 U11.62 U15.4 | length 3313
  Top Layer w8: P4.16@2461.83,4139.27 2501.35,4099.74 2546.35,4099.74 2561.83,4084.27 TP91.0@2561.83,3999.24 U15.4@2561.83,3945.57 2561.83,3814.27 2536.83,3789.27 2536.83,3274.47 2566.59,3244.71 3690.78,3244.71 3724.83,3210.66 3724.83,2997.27 3686.83,2959.27 v2(3656.83,2959.27) ; U11.62@3471.17,2356.13 3582.01,2356.13 3584.26,2353.88 3673.72,2353.88 v2(3675.49,2355.64)
  Bottom Layer w8: v2(3656.83,2959.27) 3636.83,2959.27 3622.83,2945.27 3622.83,2608.67 3626.83,2604.67 3626.83,2604.27 3677.08,2554.01 3677.08,2357.24 v2(3675.49,2355.64)
PE13: P4.18 TP93.0 U11.63 U15.5 | length 3338.5
  Top Layer w8: P4.18@2361.83,4139.27 2414.23,4086.87 2494.43,4086.87 2511.83,4069.47 TP93.0@2511.83,3999.24 2511.83,3812.33 2491,3791.5 2491,3645.24 2522.83,3613.41 2522.83,3268.67 2560.79,3230.71 3684.99,3230.71 3710.83,3204.87 3710.83,3003.47 3688.86,2981.5 3679.06,2981.5 v2(3676.83,2979.27) ; U11.63@3471.17,2375.81 3573.31,2375.81 3575.41,2373.72 v2(3657.24,2373.72)
  Bottom Layer w8: v2(3657.24,2373.72) 3656.83,2373.72 3659.47,2376.37 3659.47,2383.85 3661.67,2386.05 3661.67,2549.63 3612.83,2598.47 3612.83,2598.87 3608.83,2602.87 3608.83,2966.27 3621.83,2979.27 v2(3676.83,2979.27)